# Altium PCB CarSizeofCforFourRounds.PcbDoc
Units mil, origin at the board's own origin, x right, y up, seen from the top; angles counter-clockwise.
Board outline 6000 x 4000 mil, 2 copper layers (Top Layer, Bottom Layer); 1 components, 0 nets, 127 pads, 0 vias.
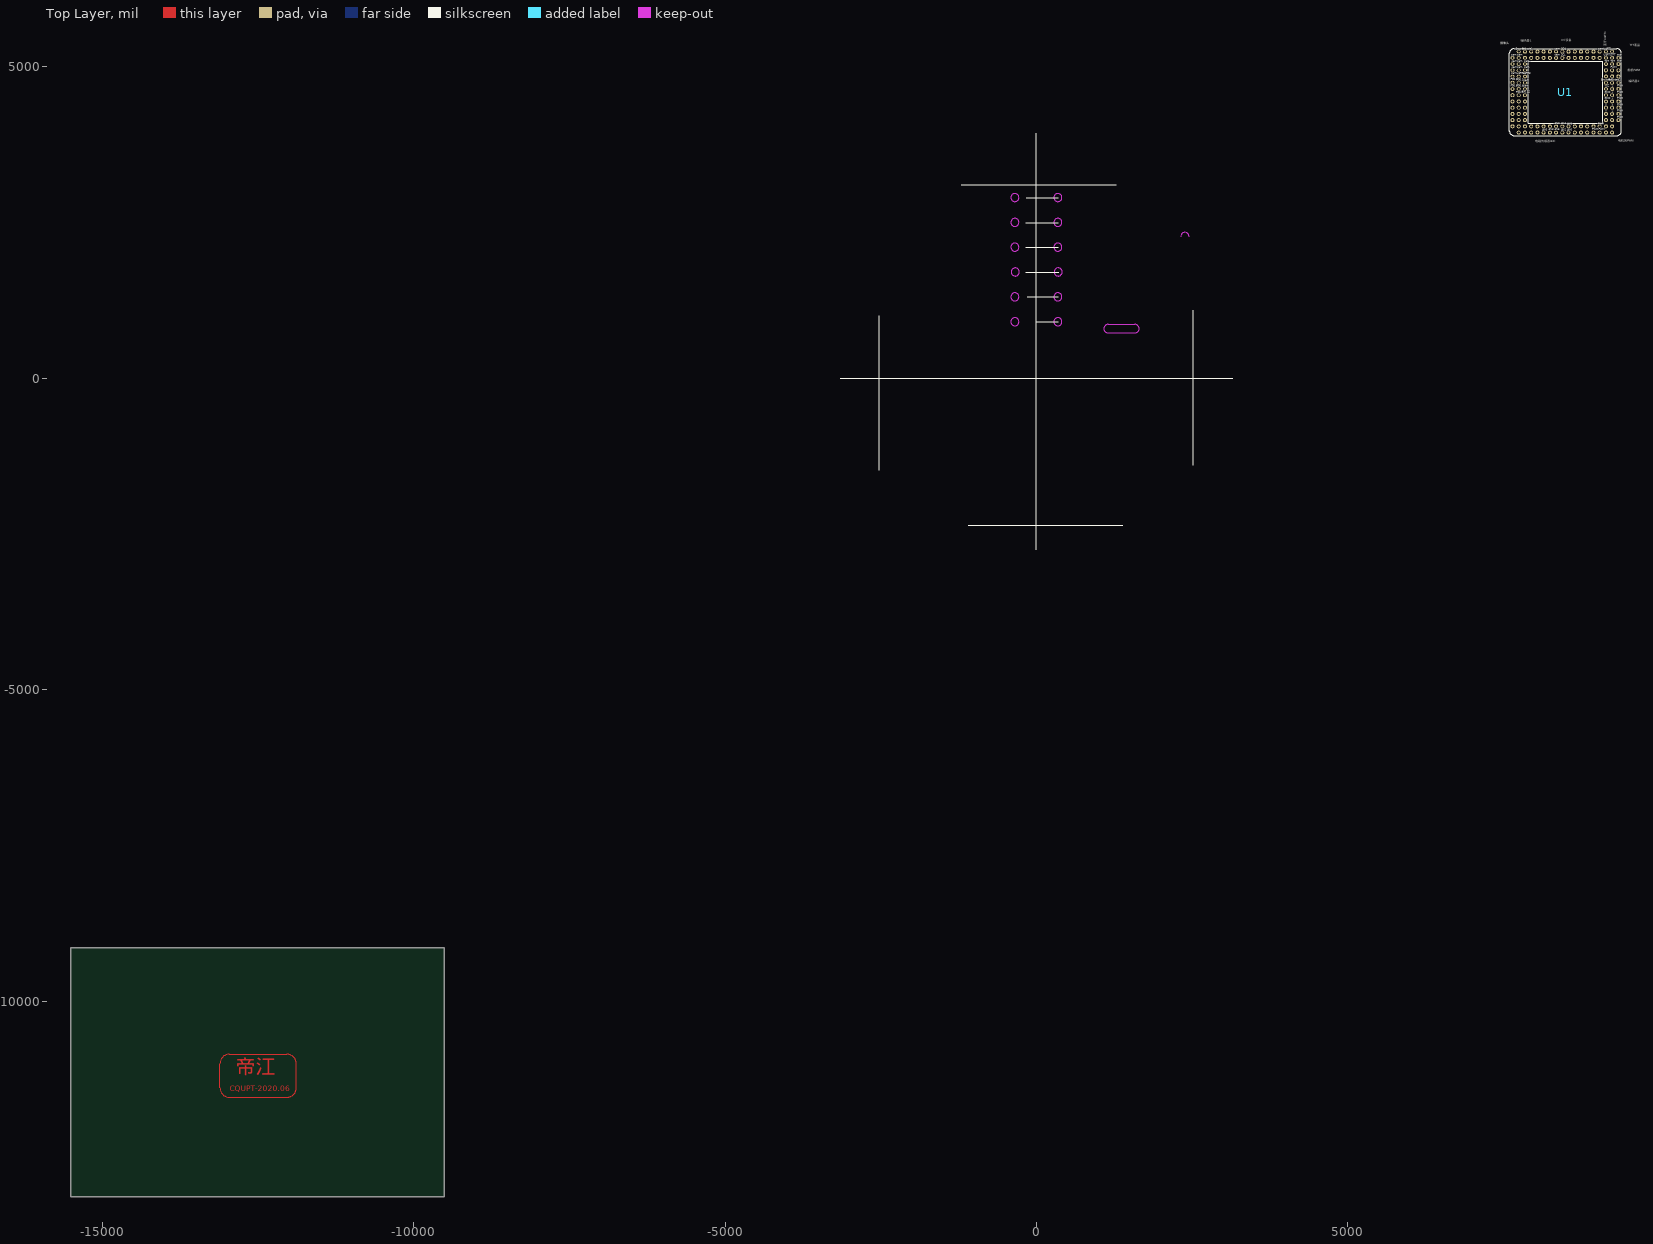
[diagram p0: Top Layer view]
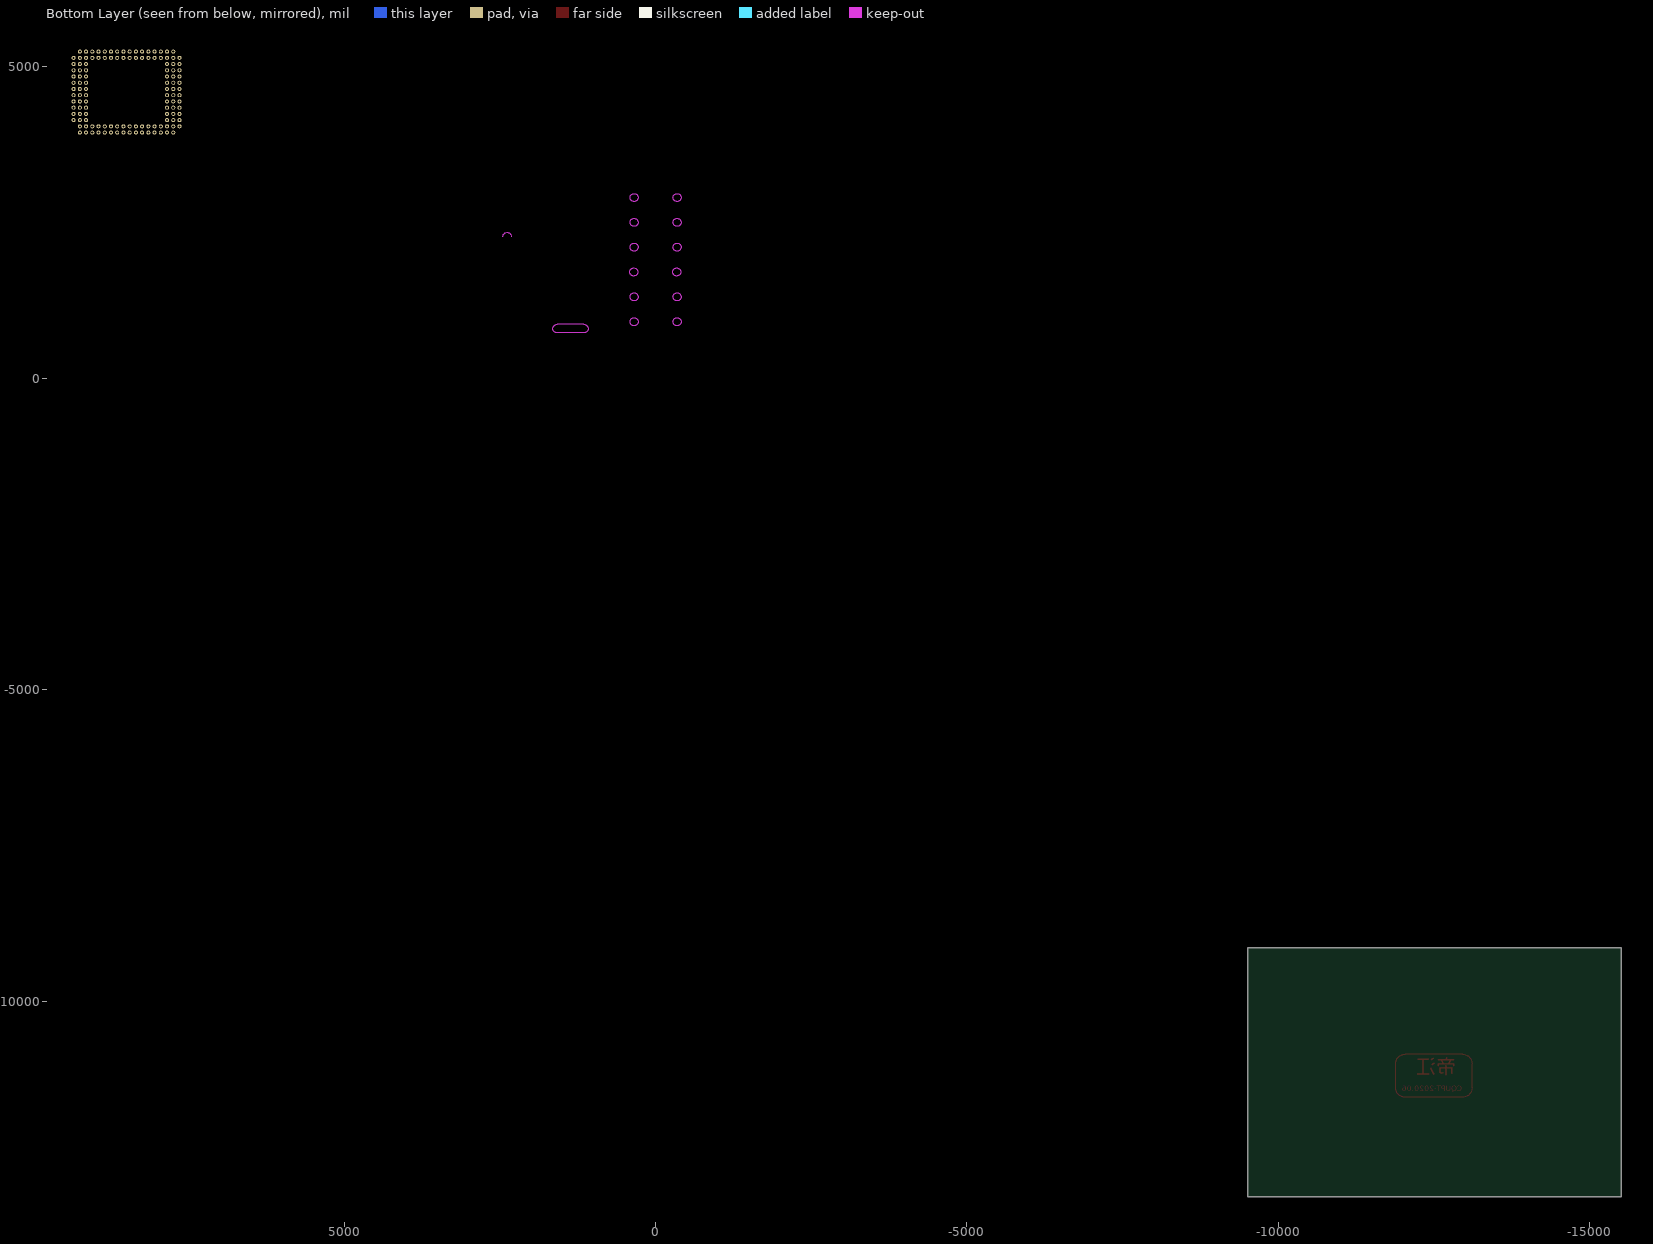
[diagram p1: Bottom Layer view, seen from below]

## Layer stack, top to bottom
Top Solder: solder mask 0.4, Solder Resist, Dk 3.5
Top Layer: signal copper 1.4
Dielectric 1: dielectric 12.6, FR-4, Dk 4.8
Bottom Layer: signal copper 1.4
Bottom Solder: solder mask 0.4, Solder Resist, Dk 3.5

## Board outline
-15510,-13145 -9510,-13145 -9510,-9145 -15510,-9145

## Design rules (kind name [scope] priority, off if disabled: settings)
Clearance [All] p1: gap=10
PolygonConnect [All] p1: connectstyle=Relief reliefconductorwidth=10 reliefentries=4 polygonreliefangle="90 Angle" airgapwidth=10
RoutingVias [All] p1: holewidth=28 width=50 viastyle="Through Hole" minholewidth=28 minwidth=50 maxholewidth=28 maxwidth=50
SolderMaskExpansion [All] p1: expansion=4
Width [All] p1: maxlimit=100 minlimit=10 preferedwidth=20
30 further rules are at their usual default settings.

## Components (designator, comment, footprint, x,y, rotation, side; value= is the part's Value field where it differs from the comment)
U1 "TC264CoreBoard" LQ-TC264-SYSVC-S 7745,3945 r0 top

## Footprints (in the part's own frame and the unit in brackets; to place one, negate y for a bottom-side part, rotate by r counter-clockwise, add the part's x,y. Pads: shape width x height; smd on the part's side, far side on the other; paste and mask are expansions set on the pad)
LQ-TC264-SYSVC-S [mm] "单片机核心板封装库"
  round 1.65 hole 0.88: 1(5.08,0) 2(5.08,2.54) 3(7.62,0) 4(7.62,2.54) 5(10.16,0) 6(10.16,2.54) 7(12.7,0) 8(12.7,2.54) 9(15.24,0) 10(15.24,2.54) 11(17.78,0) 12(17.78,2.54) 13(20.32,0) 14(20.32,2.54) 15(22.86,0) 16(22.86,2.54) 17(25.4,0) 18(25.4,2.54) 19(27.94,0) 20(27.94,2.54) 21(30.48,0) 22(30.48,2.54) 23(33.02,0) 24(33.02,2.54) 25(35.56,0) 26(35.56,2.54) 27(38.1,0) 28(38.1,2.54) 30(38.1,5.08) 31(35.56,5.08) 33(38.1,7.62) 34(35.56,7.62) 36(38.1,10.16) 37(35.56,10.16) 39(38.1,12.7) 40(35.56,12.7) 42(38.1,15.24) 43(35.56,15.24) 45(38.1,17.78) 46(35.56,17.78) 48(38.1,20.32) 49(35.56,20.32) 51(38.1,22.86) 52(35.56,22.86) 54(38.1,25.4) 55(35.56,25.4) 57(38.1,27.94) 58(35.56,27.94) 60(38.1,30.48) 61(35.56,30.48) 62(38.1,33.02) 63(35.56,33.02) 64(33.02,33.02) 65(33.02,30.48) 66(30.48,33.02) 67(30.48,30.48) 68(27.94,33.02) 69(27.94,30.48) 70(25.4,33.02) 71(25.4,30.48) 72(22.86,33.02) 73(22.86,30.48) 74(20.32,33.02) 75(20.32,30.48) 76(17.78,33.02) 77(17.78,30.48) 78(15.24,33.02) 79(15.24,30.48) 80(12.7,33.02) 81(12.7,30.48) 82(10.16,33.02) 83(10.16,30.48) 84(7.62,33.02) 85(7.62,30.48) 86(5.08,33.02) 87(5.08,30.48) 88(2.54,33.02) 89(0,33.02) 90(2.54,30.48) 91(0,30.48) 93(2.54,27.94) 94(0,27.94) 96(2.54,25.4) 97(0,25.4) 99(2.54,22.86) 100(0,22.86) 102(2.54,20.32) 103(0,20.32) 105(2.54,17.78) 106(0,17.78) 108(2.54,15.24) 109(0,15.24) 111(2.54,12.7) 112(0,12.7) 114(2.54,10.16) 115(0,10.16) 117(2.54,7.62) 118(0,7.62) 120(2.54,5.08) 121(0,5.08) 123(2.54,2.54) 124(0,2.54) 126(2.54,0) 127(0,0)
  round 1.65 hole 0.88 mask+0.102: 29(40.64,5.08) 32(40.64,7.62) 35(40.64,10.16) 38(40.64,12.7) 41(40.64,15.24) 44(40.64,17.78) 47(40.64,20.32) 50(40.64,22.86) 53(40.64,25.4) 56(40.64,27.94) 59(40.64,30.48) 92(-2.54,30.48) 95(-2.54,27.94) 98(-2.54,25.4) 101(-2.54,22.86) 104(-2.54,20.32) 107(-2.54,17.78) 110(-2.54,15.24) 113(-2.54,12.7) 116(-2.54,10.16) 119(-2.54,7.62) 122(-2.54,5.08) 125(-2.54,2.54)
  silkscreen extent -3.81,-1.27 41.91,34.29

## Nets (pads, with @x,y where several pads share a name; then routed paths per layer and width w, separated by ;. In a path a pad name is that pad's centre, name@x,y a point inside that pad or via, vN(x,y) a via of type N, cw(c..) or ccw(c..) an arc to the next point about the centre after c; other vN are vias at no path point)
pads on no net: U1.1 U1.2 U1.3 U1.4 U1.5 U1.6 U1.7 U1.8 U1.9 U1.10 U1.11 U1.12 U1.13 U1.14 U1.15 U1.16 U1.17 U1.18 U1.19 U1.20 U1.21 U1.22 U1.23 U1.24 U1.25 U1.26 U1.27 U1.28 U1.29 U1.30 U1.31 U1.32 U1.33 U1.34 U1.35 U1.36 U1.37 U1.38 U1.39 U1.40 U1.41 U1.42 U1.43 U1.44 U1.45 U1.46 U1.47 U1.48 U1.49 U1.50 U1.51 U1.52 U1.53 U1.54 U1.55 U1.56 U1.57 U1.58 U1.59 U1.60 U1.61 U1.62 U1.63 U1.64 U1.65 U1.66 U1.67 U1.68 U1.69 U1.70 U1.71 U1.72 U1.73 U1.74 U1.75 U1.76 U1.77 U1.78 U1.79 U1.80 U1.81 U1.82 U1.83 U1.84 U1.85 U1.86 U1.87 U1.88 U1.89 U1.90 U1.91 U1.92 U1.93 U1.94 U1.95 U1.96 U1.97 U1.98 U1.99 U1.100 U1.101 U1.102 U1.103 U1.104 U1.105 U1.106 U1.107 U1.108 U1.109 U1.110 U1.111 U1.112 U1.113 U1.114 U1.115 U1.116 U1.117 U1.118 U1.119 U1.120 U1.121 U1.122 U1.123 U1.124 U1.125 U1.126 U1.127
copper on no net: | length 3562.5
  Top Layer w20: -13110,-11010 -13110,-11395 ccw(c-12960,-11395) -12960,-11545 -12035,-11545 ccw(c-12035,-11395) -11885,-11395 -11885,-11010 ; -13110,-11005 cw(c-12960,-11005) -12960,-10855 -12035,-10855 cw(c-12035,-11005) -11885,-11005

## Keep-outs
Keep-Out Layer:
  circle w10: c344.49,907.48 r64.96
  circle w10: c-344.49,907.48 r64.96
  circle w10: c-344.49,1307.48 r64.96
  circle w10: c344.49,1307.48 r64.96
  circle w10: c-339.49,1706.54 r64.96
  circle w10: c349.49,1706.54 r64.96
  circle w10: c-344.49,2105.08 r64.96
  circle w10: c344.49,2105.08 r64.96
  circle w10: c-344.49,2503.11 r64.96
  circle w10: c344.49,2503.11 r64.96
  circle w10: c-344.49,2901.65 r64.96
  circle w10: c344.49,2901.65 r64.96
  lines w10: 2318.07,2275 cw(c2385,2275) 2451.93,2275 ; 1150,730 cw(c1150,796.93) 1150,863.86 1583.07,863.86 cw(c1583.07,796.93) 1583.07,730 1150,730

## Other copper
Top Layer:
  text "帝江" at -12860,-11245 h400
  text "CQUPT-2020.06" at -12950,-11480 h150

## Silkscreen, mask and mechanical layers (free items; w line width, h text height)
Top Overlay:
  lines w10: -3149.61,0 3149.61,0 ; -2519.68,-1480 -2519.68,1005 ; -1205,3110.24 1280,3110.24 ; -1095,-2362.2 1390,-2362.2 ; -170,1703.54 170,1703.54 ; -170,2102.09 170,2102.09 ; -170,2500.63 170,2500.63 ; -165,2899.17 175,2899.17 ; -145,1305.51 210,1305.51 ; -145,1704.06 210,1704.06 ; -145,2102.6 210,2102.6 ; -140,2501.14 215,2501.14 ; 0,-2755.91 0,3937.01 ; 0,905 350,905 ; 0,1305 350,1305 ; 0,2102.6 350,2102.6 ; 0,2500.63 350,2500.63 ; 0,2899.17 350,2899.17 ; 5,1704.06 355,1704.06 ; 2519.69,-1395 2519.69,1090
  text "IIC设备" at 8435,5395 h60
  text "编码器1" at 7775,5390 h60
  text "摄像头" at 7450,5345 h60
  text "蓝牙UART1" at 9165,5335 h60 r90
  text "TFT液晶" at 9530,5315 h60
  text "cam" at 8325,5270 h30
  text "Encode1" at 7695,5265 h30
  text "Encode1" at 7800,5265 h30
  text "SDA" at 8425,5265 h30
  text "cam" at 9025,5265 h30
  text "UART1" at 9110,5265 h30
  text "cam" at 7625,5170 h30
  text "cam" at 7725,5170 h30
  text "cam" at 8325,5170 h30
  text "SCL" at 8430,5170 h30
  text "UART1" at 9110,5170 h30
  text "TFT" at 9230,5170 h30
  text "TFT" at 9325,5165 h30
  text "cam" at 7630,5070 h30
  text "cam" at 7725,5070 h30
  text "cam" at 7830,5070 h30
  text "TFT" at 9125,5070 h30
  text "TFT" at 9225,5070 h30
  text "TFT" at 9325,5065 h30
  text "cam" at 7630,4970 h30
  text "cam" at 7725,4970 h30
  text "cam" at 7830,4970 h30
  text "PWM" at 9225,4970 h30
  text "舵机PWM" at 9495,4910 h60
  text "cam" at 7625,4870 h30
  text "UART3" at 7715,4870 h30
  text "UART3" at 7810,4870 h30
  text "P00.2" at 7615,4775 h30
  text "P00.3" at 7715,4770 h30
  text "Encoded2" at 9070,4770 h30
  text "Encoded2" at 9190,4770 h30
  text "cam" at 7825,4765 h30
  text "编码器2" at 9515,4735 h60
  text "P00.5" at 7615,4670 h30
  text "P00.6" at 7715,4670 h30
  text "cam" at 7820,4670 h30
  text "VCC" at 9125,4670 h30
  text "PWM" at 9325,4670 h30
  text "×" at 9235,4665 h30
  text "P00.12" at 7795,4575 h30
  text "P00.9" at 7705,4570 h30
  text "GND" at 9125,4570 h30
  text "×" at 9235,4570 h30
  text "PWM" at 9325,4570 h30
  text "GND" at 9125,4470 h30
  text "×" at 9235,4470 h30
  text "PWM" at 9325,4470 h30
  text "×" at 9135,4370 h30
  text "×" at 9235,4370 h30
  text "PWM" at 9325,4370 h30
  text "×" at 9135,4270 h30
  text "PWM" at 9330,4270 h30
  text "×" at 9240,4265 h30
  text "PWM" at 9325,4170 h30
  text "AN7" at 8325,4070 h30
  text "AN4" at 8425,4070 h30
  text "AN1" at 8525,4065 h30
  text "PWM" at 9025,4065 h30
  text "AN3" at 8230,3975 h30
  text "AN5" at 8325,3975 h30
  text "PWM" at 8925,3975 h30
  text "PWM" at 9030,3975 h30
  text "AN6" at 8125,3970 h30
  text "AN2" at 8425,3970 h30
  text "AN0" at 8525,3970 h30
  text "电机的PWM" at 9345,3780 h60
  text "电磁传感器ADC" at 8010,3770 h60
Top Paste:
  lines w20: -13110,-11395 ccw(c-12960,-11395) -12960,-11545 -12035,-11545 ccw(c-12035,-11395) -11885,-11395 -11885,-11005 ccw(c-12035,-11005) -12035,-10855 -12960,-10855 ccw(c-12960,-11005) -13110,-11005 -13110,-11395
  text "帝江" at -12860,-11245 h400
  text "CQUPT-2020.06" at -12950,-11480 h150
Top Solder:
  lines w20: -13110,-11395 ccw(c-12960,-11395) -12960,-11545 -12035,-11545 ccw(c-12035,-11395) -11885,-11395 -11885,-11005 ccw(c-12035,-11005) -12035,-10855 -12960,-10855 ccw(c-12960,-11005) -13110,-11005 -13110,-11395
  text "帝江" at -12860,-11245 h400
  text "CQUPT-2020.06" at -12950,-11480 h150